# KiCad board panel.kicad_pcb (continued)
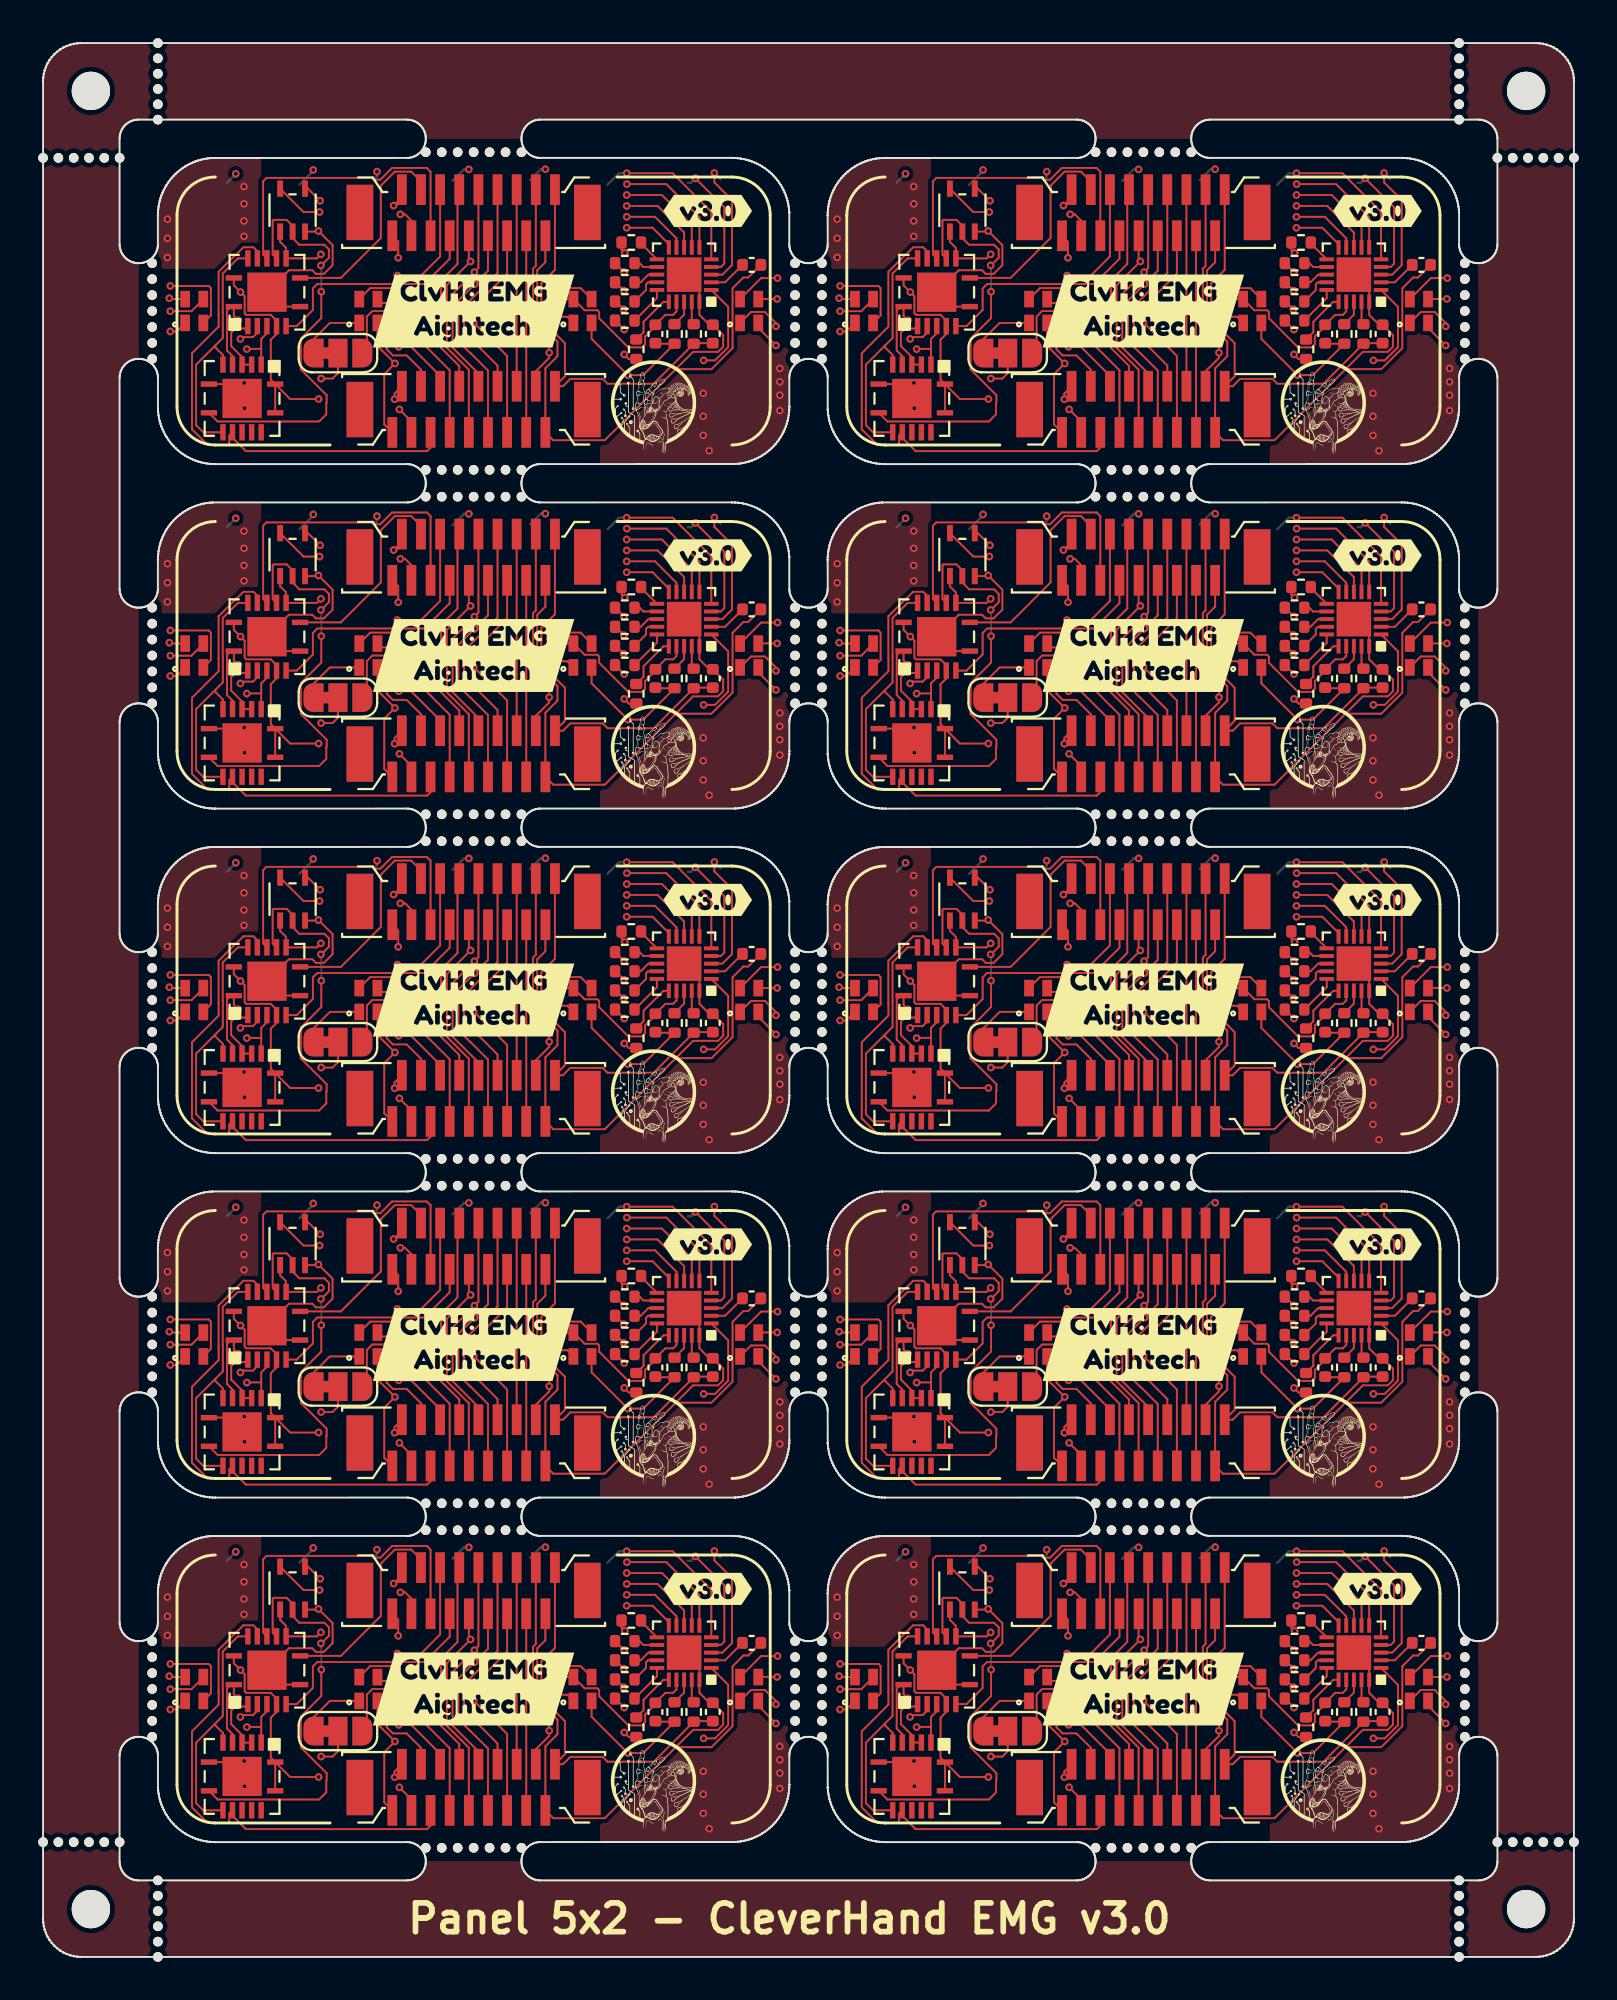
[diagram p0: board, top side]
## Routing (per net, layer and track width the routed paths; a pad name or vN(x,y) marks a point on that pad's centre or on a via; arc(x,y) is an arc through that point) (continued)
Board_9-Net-(R5-Pad1): length 1.3
  Front w0.1: U1#2.12 66.37,16.3 66.17,16.5 R5#9.1
Board_9-Net-(R6-Pad1): length 1.2
  Front w0.1: U1#2.11 66.25,17.53 R6#2.1
Board_9-Net-(R7-Pad1): length 1.2
  Front w0.1: R7#8.1 68.9,13.41 U1#2.19
Board_9-Net-(R8-Pad1): length 1.4
  Front w0.1: U1#2.18 68.5,13.81 R8#7.1
Board_9-Net-(U1-Pad2): length 2
  Front w0.1: U1#2.2 70.64,15.5 C3.1

## Copper pours and planes (outline as drawn; the poured copper is in the pictures)
(no net) on Front: 78.01,100 77.99,100 2.01,100 1.99,100 0,98.01 0,97.99 0,2.01 0,1.99 1.99,0 2.01,0 77.99,0 78.01,0 80,1.99 80,2.01 80,97.99 80,98.01 ; 10 cut-outs
(no net) on Back: 78.01,100 77.99,100 2.01,100 1.99,100 0,98.01 0,97.99 0,2.01 0,1.99 1.99,0 2.01,0 77.99,0 78.01,0 80,1.99 80,2.01 80,97.99 80,98.01 ; 10 cut-outs
Board_0-/CH0 on Back: 35,93.5 38,93.5 38,78.5 35,78.5
Board_0-/CH1 on Back: 31,93.5 34,93.5 34,78.5 31,78.5
Board_0-/CH2 on Back: 27,93.5 30,93.5 30,78.5 27,78.5
Board_0-/CH3 on Back: 23,93.5 26,93.5 26,78.5 23,78.5
Board_0-/CH4 on Back: 19,93.5 22,93.5 22,78.5 19,78.5
Board_0-/CH5 on Back: 15,93.5 18,93.5 18,78.5 15,78.5
Board_0-/CH6 on Back: 11,93.5 14,93.5 14,78.5 11,78.5
Board_0-/CH7 on Back: 7,93.5 10,93.5 10,78.5 7,78.5
Board_0-GND on Front: 11.4,88.2 6,88.2 6,94 11.4,94
Board_0-GND on Front: 39,78 29.1,78 29.1,78.9 35.6,85.1 39,85.1
Board_0-GND on In1.Cu: 39,78 6,78 6,94 39,94
Board_0-GND on In2.Cu: 39,78 6,78 6,94 39,94
Board_1-/CH0 on Back: 70,93.5 73,93.5 73,78.5 70,78.5
Board_1-/CH1 on Back: 66,93.5 69,93.5 69,78.5 66,78.5
Board_1-/CH2 on Back: 62,93.5 65,93.5 65,78.5 62,78.5
Board_1-/CH3 on Back: 58,93.5 61,93.5 61,78.5 58,78.5
Board_1-/CH4 on Back: 54,93.5 57,93.5 57,78.5 54,78.5
Board_1-/CH5 on Back: 50,93.5 53,93.5 53,78.5 50,78.5
Board_1-/CH6 on Back: 46,93.5 49,93.5 49,78.5 46,78.5
Board_1-/CH7 on Back: 42,93.5 45,93.5 45,78.5 42,78.5
Board_1-GND on Front: 46.4,88.2 41,88.2 41,94 46.4,94
Board_1-GND on Front: 74,78 64.1,78 64.1,78.9 70.6,85.1 74,85.1
Board_1-GND on In1.Cu: 74,78 41,78 41,94 74,94
Board_1-GND on In2.Cu: 74,78 41,78 41,94 74,94
Board_2-/CH0 on Back: 35,75.5 38,75.5 38,60.5 35,60.5
Board_2-/CH1 on Back: 31,75.5 34,75.5 34,60.5 31,60.5
Board_2-/CH2 on Back: 27,75.5 30,75.5 30,60.5 27,60.5
Board_2-/CH3 on Back: 23,75.5 26,75.5 26,60.5 23,60.5
Board_2-/CH4 on Back: 19,75.5 22,75.5 22,60.5 19,60.5
Board_2-/CH5 on Back: 15,75.5 18,75.5 18,60.5 15,60.5
Board_2-/CH6 on Back: 11,75.5 14,75.5 14,60.5 11,60.5
Board_2-/CH7 on Back: 7,75.5 10,75.5 10,60.5 7,60.5
Board_2-GND on Front: 11.4,70.2 6,70.2 6,76 11.4,76
Board_2-GND on Front: 39,60 29.1,60 29.1,60.9 35.6,67.1 39,67.1
Board_2-GND on In1.Cu: 39,60 6,60 6,76 39,76
Board_2-GND on In2.Cu: 39,60 6,60 6,76 39,76
Board_3-/CH0 on Back: 70,75.5 73,75.5 73,60.5 70,60.5
Board_3-/CH1 on Back: 66,75.5 69,75.5 69,60.5 66,60.5
Board_3-/CH2 on Back: 62,75.5 65,75.5 65,60.5 62,60.5
Board_3-/CH3 on Back: 58,75.5 61,75.5 61,60.5 58,60.5
Board_3-/CH4 on Back: 54,75.5 57,75.5 57,60.5 54,60.5
Board_3-/CH5 on Back: 50,75.5 53,75.5 53,60.5 50,60.5
Board_3-/CH6 on Back: 46,75.5 49,75.5 49,60.5 46,60.5
Board_3-/CH7 on Back: 42,75.5 45,75.5 45,60.5 42,60.5
Board_3-GND on Front: 46.4,70.2 41,70.2 41,76 46.4,76
Board_3-GND on Front: 74,60 64.1,60 64.1,60.9 70.6,67.1 74,67.1
Board_3-GND on In1.Cu: 74,60 41,60 41,76 74,76
Board_3-GND on In2.Cu: 74,60 41,60 41,76 74,76
Board_4-/CH0 on Back: 35,57.5 38,57.5 38,42.5 35,42.5
Board_4-/CH1 on Back: 31,57.5 34,57.5 34,42.5 31,42.5
Board_4-/CH2 on Back: 27,57.5 30,57.5 30,42.5 27,42.5
Board_4-/CH3 on Back: 23,57.5 26,57.5 26,42.5 23,42.5
Board_4-/CH4 on Back: 19,57.5 22,57.5 22,42.5 19,42.5
Board_4-/CH5 on Back: 15,57.5 18,57.5 18,42.5 15,42.5
Board_4-/CH6 on Back: 11,57.5 14,57.5 14,42.5 11,42.5
Board_4-/CH7 on Back: 7,57.5 10,57.5 10,42.5 7,42.5
Board_4-GND on Front: 11.4,52.2 6,52.2 6,58 11.4,58
Board_4-GND on Front: 39,42 29.1,42 29.1,42.9 35.6,49.1 39,49.1
Board_4-GND on In1.Cu: 39,42 6,42 6,58 39,58
Board_4-GND on In2.Cu: 39,42 6,42 6,58 39,58
Board_5-/CH0 on Back: 70,57.5 73,57.5 73,42.5 70,42.5
Board_5-/CH1 on Back: 66,57.5 69,57.5 69,42.5 66,42.5
Board_5-/CH2 on Back: 62,57.5 65,57.5 65,42.5 62,42.5
Board_5-/CH3 on Back: 58,57.5 61,57.5 61,42.5 58,42.5
Board_5-/CH4 on Back: 54,57.5 57,57.5 57,42.5 54,42.5
Board_5-/CH5 on Back: 50,57.5 53,57.5 53,42.5 50,42.5
Board_5-/CH6 on Back: 46,57.5 49,57.5 49,42.5 46,42.5
Board_5-/CH7 on Back: 42,57.5 45,57.5 45,42.5 42,42.5
Board_5-GND on Front: 46.4,52.2 41,52.2 41,58 46.4,58
Board_5-GND on Front: 74,42 64.1,42 64.1,42.9 70.6,49.1 74,49.1
Board_5-GND on In1.Cu: 74,42 41,42 41,58 74,58
Board_5-GND on In2.Cu: 74,42 41,42 41,58 74,58
Board_6-/CH0 on Back: 35,39.5 38,39.5 38,24.5 35,24.5
Board_6-/CH1 on Back: 31,39.5 34,39.5 34,24.5 31,24.5
Board_6-/CH2 on Back: 27,39.5 30,39.5 30,24.5 27,24.5
Board_6-/CH3 on Back: 23,39.5 26,39.5 26,24.5 23,24.5
Board_6-/CH4 on Back: 19,39.5 22,39.5 22,24.5 19,24.5
Board_6-/CH5 on Back: 15,39.5 18,39.5 18,24.5 15,24.5
Board_6-/CH6 on Back: 11,39.5 14,39.5 14,24.5 11,24.5
Board_6-/CH7 on Back: 7,39.5 10,39.5 10,24.5 7,24.5
Board_6-GND on Front: 11.4,34.2 6,34.2 6,40 11.4,40
Board_6-GND on Front: 39,24 29.1,24 29.1,24.9 35.6,31.1 39,31.1
Board_6-GND on In1.Cu: 39,24 6,24 6,40 39,40
Board_6-GND on In2.Cu: 39,24 6,24 6,40 39,40
Board_7-/CH0 on Back: 70,39.5 73,39.5 73,24.5 70,24.5
Board_7-/CH1 on Back: 66,39.5 69,39.5 69,24.5 66,24.5
Board_7-/CH2 on Back: 62,39.5 65,39.5 65,24.5 62,24.5
Board_7-/CH3 on Back: 58,39.5 61,39.5 61,24.5 58,24.5
Board_7-/CH4 on Back: 54,39.5 57,39.5 57,24.5 54,24.5
Board_7-/CH5 on Back: 50,39.5 53,39.5 53,24.5 50,24.5
Board_7-/CH6 on Back: 46,39.5 49,39.5 49,24.5 46,24.5
Board_7-/CH7 on Back: 42,39.5 45,39.5 45,24.5 42,24.5
Board_7-GND on Front: 46.4,34.2 41,34.2 41,40 46.4,40
Board_7-GND on Front: 74,24 64.1,24 64.1,24.9 70.6,31.1 74,31.1
Board_7-GND on In1.Cu: 74,24 41,24 41,40 74,40
Board_7-GND on In2.Cu: 74,24 41,24 41,40 74,40
Board_8-/CH0 on Back: 35,21.5 38,21.5 38,6.5 35,6.5
Board_8-/CH1 on Back: 31,21.5 34,21.5 34,6.5 31,6.5
Board_8-/CH2 on Back: 27,21.5 30,21.5 30,6.5 27,6.5
Board_8-/CH3 on Back: 23,21.5 26,21.5 26,6.5 23,6.5
Board_8-/CH4 on Back: 19,21.5 22,21.5 22,6.5 19,6.5
Board_8-/CH5 on Back: 15,21.5 18,21.5 18,6.5 15,6.5
Board_8-/CH6 on Back: 11,21.5 14,21.5 14,6.5 11,6.5
Board_8-/CH7 on Back: 7,21.5 10,21.5 10,6.5 7,6.5
Board_8-GND on Front: 11.4,16.2 6,16.2 6,22 11.4,22
Board_8-GND on Front: 39,6 29.1,6 29.1,6.9 35.6,13.1 39,13.1
Board_8-GND on In1.Cu: 39,6 6,6 6,22 39,22
Board_8-GND on In2.Cu: 39,6 6,6 6,22 39,22
Board_9-/CH0 on Back: 70,21.5 73,21.5 73,6.5 70,6.5
Board_9-/CH1 on Back: 66,21.5 69,21.5 69,6.5 66,6.5
Board_9-/CH2 on Back: 62,21.5 65,21.5 65,6.5 62,6.5
Board_9-/CH3 on Back: 58,21.5 61,21.5 61,6.5 58,6.5
Board_9-/CH4 on Back: 54,21.5 57,21.5 57,6.5 54,6.5
Board_9-/CH5 on Back: 50,21.5 53,21.5 53,6.5 50,6.5
Board_9-/CH6 on Back: 46,21.5 49,21.5 49,6.5 46,6.5
Board_9-/CH7 on Back: 42,21.5 45,21.5 45,6.5 42,6.5
Board_9-GND on Front: 46.4,16.2 41,16.2 41,22 46.4,22
Board_9-GND on Front: 74,6 64.1,6 64.1,6.9 70.6,13.1 74,13.1
Board_9-GND on In1.Cu: 74,6 41,6 41,22 74,22
Board_9-GND on In2.Cu: 74,6 41,6 41,22 74,22

## Text on the board
F.Silkscreen: Panel 5x2 - CleverHand EMG v3.0
